# Altium PCB galileo_cleaned.PcbDoc (part 4 of 10)
Units mil, origin at the board's own origin, x right, y up, seen from the top; angles counter-clockwise.
Board outline 4205 x 2835.09 mil, 6 copper layers (TOP, PWR, LYR_1, LYR_2, GND, BOTTOM), stack 80.1 mil thick; 533 components, 432 nets, 2101 pads, 1155 vias.
Unrouted connection lines stored in the file: 669.
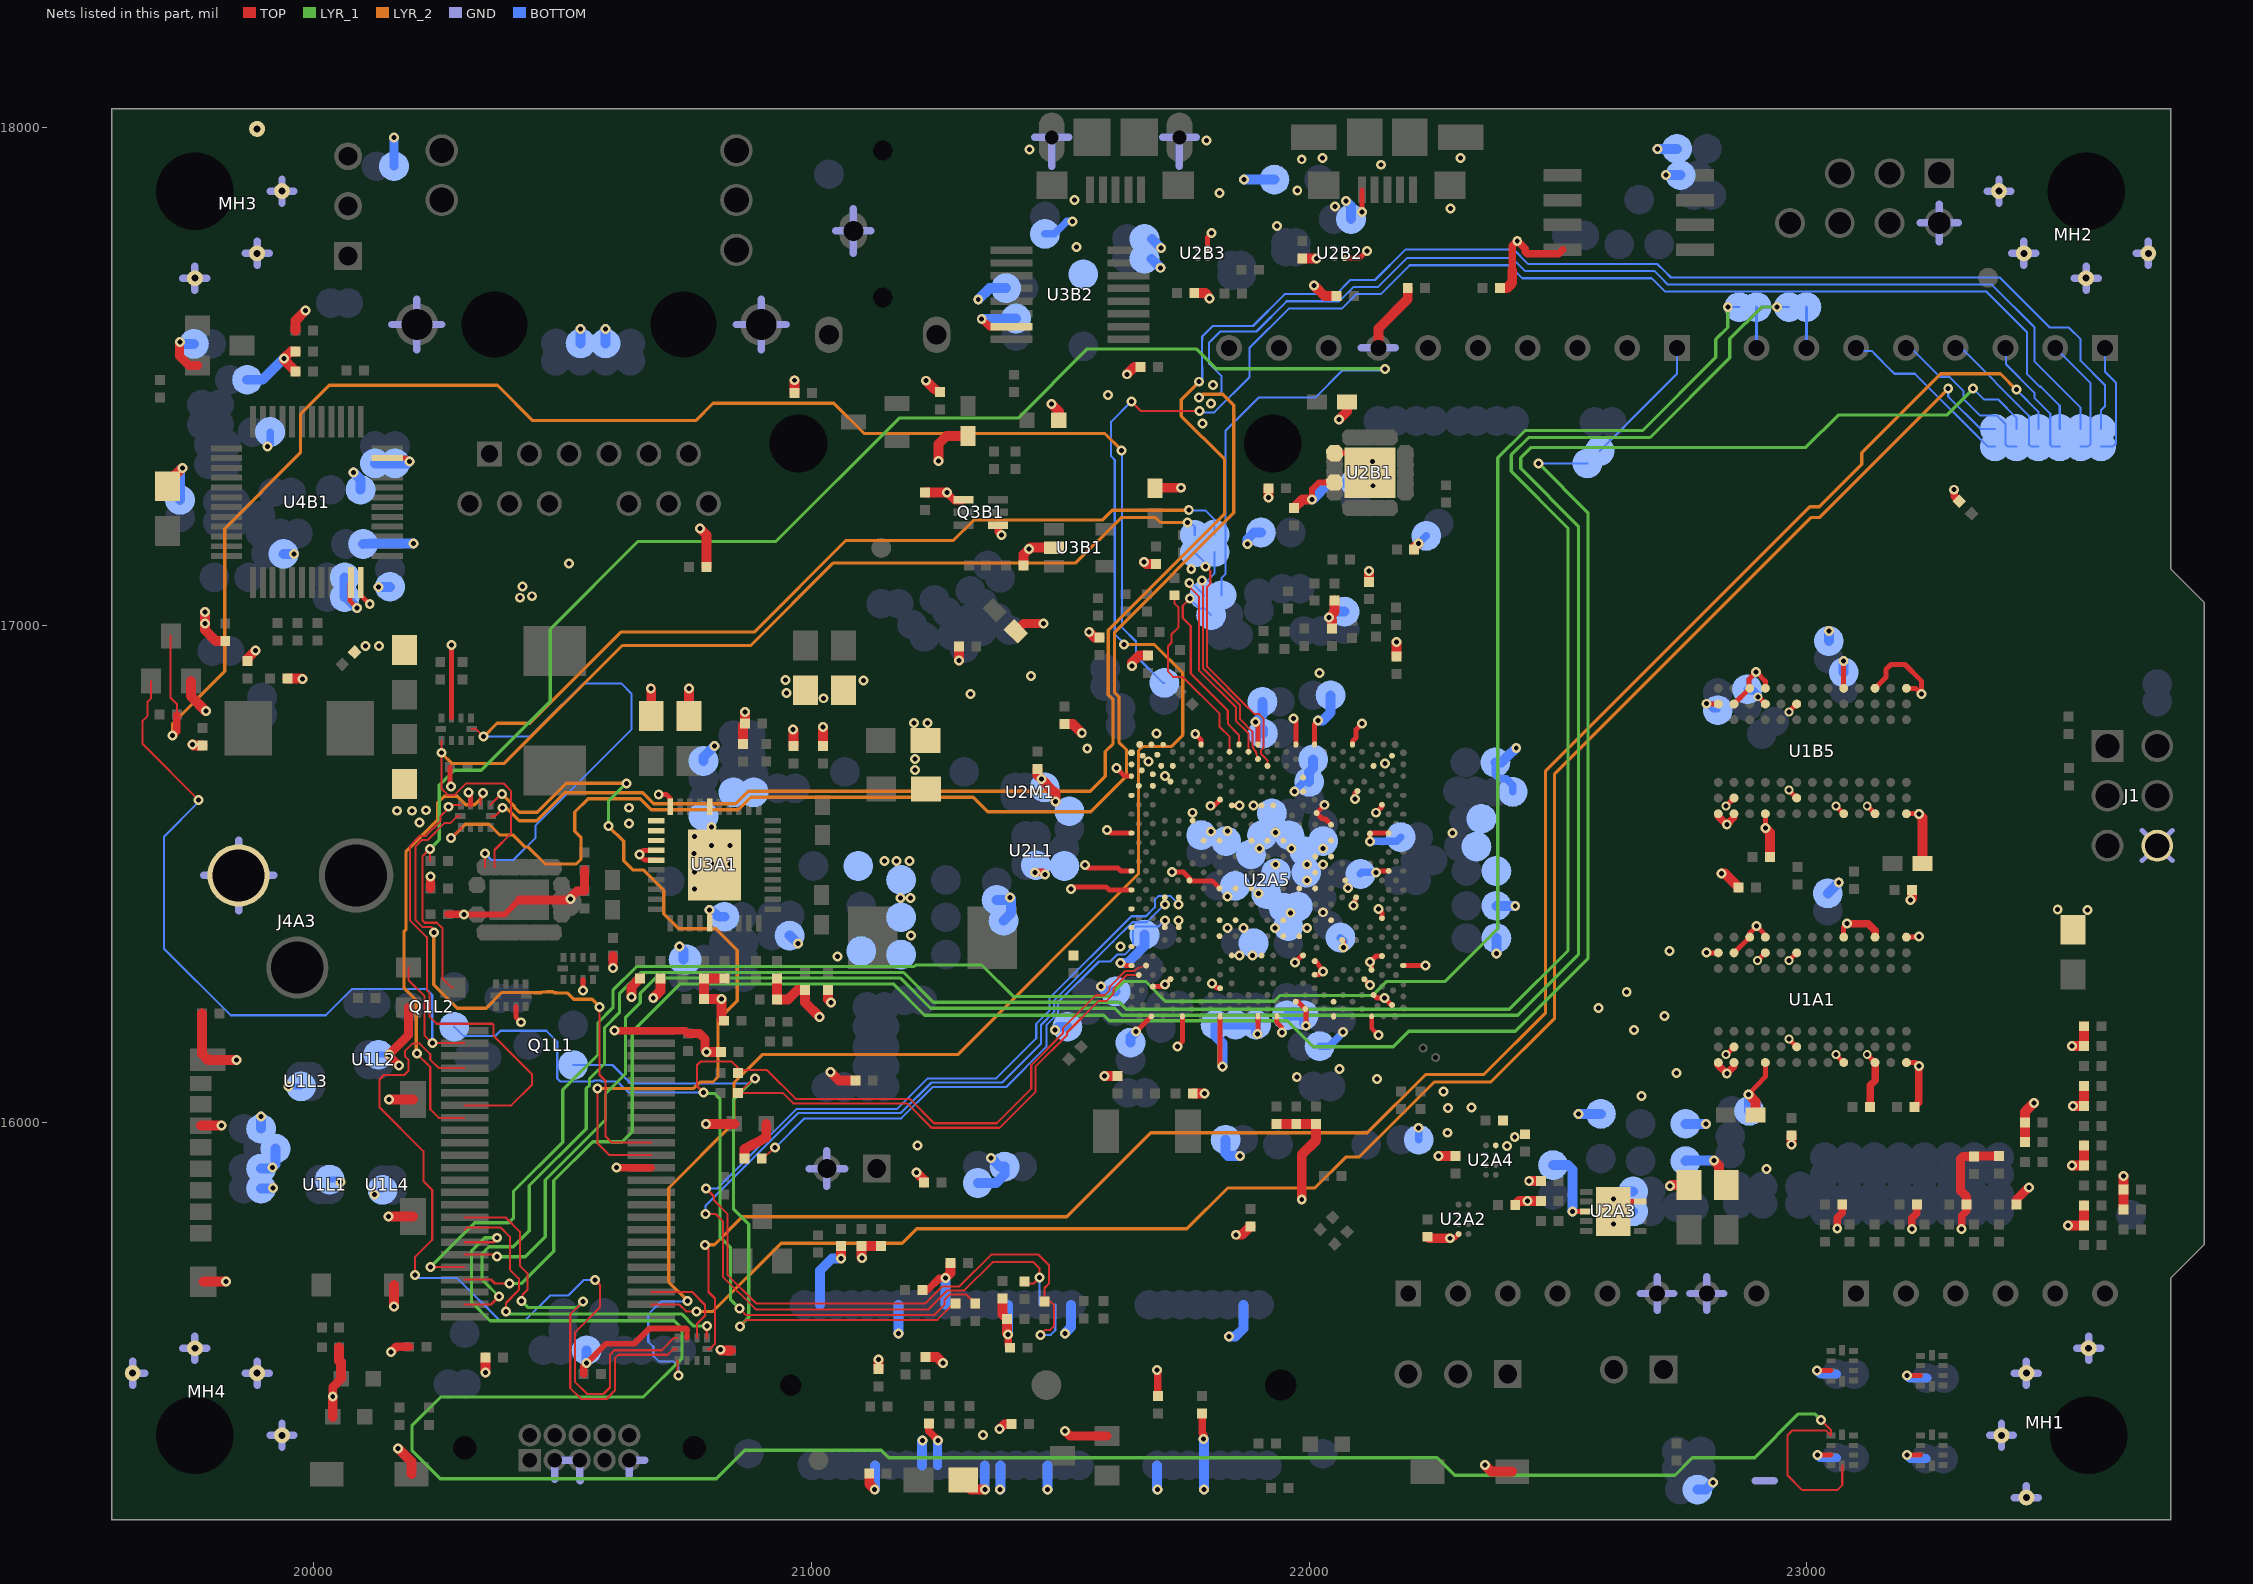
[diagram p8: the nets of this part, all layers, seen from the top]

## Via types
v1: diameter 20, hole 10, TOP to BOTTOM, 1096 vias
v2: diameter 18, hole 10, TOP to BOTTOM, 43 vias
v3: diameter 25, hole 25, TOP to BOTTOM, 16 vias

## Nets (pads, with @x,y where several pads share a name; then routed paths per layer and width w, separated by ;. In a path a pad name is that pad's centre, name@x,y a point inside that pad or via, vN(x,y) a via of type N, cw(c..) or ccw(c..) an arc to the next point about the centre after c; other vN are vias at no path point) (continued)
GND: C1A1.2 C1A2.2 C1A3.2 C1A4.2 C1A5.2 C1A6.2 C1A7.2 C1A8.2 C1A9.2 C1A10.2 C1A11.2 C1A12.2 C1A13.1 C1A14.2 C1A15.2 C1A16.2 C1A17.2 C1A18.2 C1A19.2 C1A20.1 C1A22.1 C1A24.2 C1A25.2 C1B1.2 C1L1.2 C1L2.2 C1L3.2 C1M1.2 C1M2.2 C1M3.2 C1M4.2 C1M5.2 C1M6.2 C1M9.2 C1M10.2 C1M11.2 C1M12.2 C1M13.2 C1M14.2 C2A1.2 C2A2.2 C2A3.2 C2A4.2 C2A5.2 C2A6.1 C2A7.2 C2A8.2 C2A9.2 C2B1.2 C2B2.2 C2B3.2 C2B4.2 C2B5.2 C2B7.2 C2B11.2 C2B12.2 C2B13.2 C2L1.2 C2L2.2 C2L4.2 C2L5.2 C2L6.2 C2L7.2 C2L8.2 C2L9.2 C2L10.2 C2L11.2 C2L12.2 C2L13.2 C2M2.2 C2M4.2 C2M5.2 C2M7.2 C2M8.2 C2M9.2 C2M10.2 C3A1.2 C3A2.2 C3A5.2 C3A6.2 C3A7.2 C3A8.2 C3A9.2 C3A10.1 C3A12.2 C3A13.2 C3A14.2 C3A15.2 C3A16.2 C3A17.2 C3A20.2 C3A21.2 C3A22.2 C3A23.2 C3A24.2 C3A25.2 C3A26.2 C3B1.2 C3B2.2 C3B3.2 C3B4.2 C3B5.2 C3B6.2 C3B7.2 C3B8.2 C3B9.2 C3B10.2 C3B11.2 C3B12.2 C3B13.2 C3B14.2 C3B15.2 C3B16.2 C3B17.2 C3B18.2 C3L1.2 C3L2.2 C3L3.2 C3L4.2 C3L5.2 C3L6.2 C3L7.2 C3L8.2 C3L9.2 C3L10.2 C3L11.2 C3L12.2 C3L13.2 C3L14.2 C3L15.2 C3L16.2 C3L17.2 C3L18.2 C3L19.2 C3L20.2 C3L21.2 C3L22.2 C3L23.2 C3L24.2 C3L25.2 C3L26.2 C3L27.2 C3L28.2 C3L29.2 C3L30.2 C3M1.2 C3M2.2 C3M3.2 C3M4.2 C3M5.2 C3M6.2 C3M7.2 C3M8.2 C3M9.2 C3M10.2 C3M11.2 C3M12.2 C3M13.2 C4A1.2 C4B1.2 C4B2.2 C4B3.2 C4B4.2 C4B5.2 C4B6.2 C4B7.2 C4L1.2 C4L3.2 C4M2.2 C4M3.2 C4M4.1 C4M5.2 C4M6.2 DS3B1.2 J1.6 J4A3.2 MH1.3 MH1.4 MH1.5 MH1.6 MH2.3 MH2.4 MH2.5 MH2.6 MH3.3 MH3.4 MH3.5 MH3.6 MH4.3 MH4.4 MH4.5 MH4.6 Q3B1.1 Q3B1.4 R1A8.2 R1A9.2 R1A12.2 R1A14.2 R1A15.2 R1A17.2 R1L2.2 R1L11.2 R1M6.1 R1M12.2 R2A6.2 R2A7.2 R2A12.2 R2A13.2 R2A14.2 R2B1.2 R2B2.2 R2B4.2 R2B13.2 R2B17.2 R2B19.2 R2B24.2 R2B25.2 R2L2.2 R2L3.2 R2L11.2 R2L16.2 R2L18.2 R2L20.2 R2M1.1 R2M3.2 R2M6.2 R3A10.2 R3A14.2 R3A17.2 R3A18.2 R3A19.1 R3A20.2 R3A21.2 R3B2.2 R3B3.2 R3B5.2 R3L1.2 R3L3.2 R3L4.2 R3L5.2 R3L6.2 R3L7.2 R3L10.2 R3L13.2 R3L14.2 R3M7.2 R4A7.2 R4B4.2 R4B5.2 R4B6.2 R4L19.1 R4M1.1 R9.2 U1A1.A1 U1A1.A8 U1A1.B1 U1A1.B2 U1A1.B8 U1A1.C9 U1A1.D1 U1A1.D8 U1A1.D9 U1A1.F2 U1A1.F8 U1A1.J1 U1A1.J9 U1A1.L1 U1A1.L9 U1A1.N1 U1A1.N9 U1B5.A1 U1B5.A8 U1B5.B1 U1B5.B2 U1B5.B8 U1B5.C9 U1B5.D1 U1B5.D8 U1B5.D9 U1B5.F2 U1B5.F8 U1B5.J1 U1B5.J9 U1B5.L1 U1B5.L9 U1B5.N1 U1B5.N9 U1L1.A1 U1L2.A1 U1L3.A1 U1L4.A1 U2A2.D1 U2A3.4 U2A3.8 U2A3.11 U2A4.D1 U2A5.A7 U2A5.A10 U2A5.A12 U2A5.A14 U2A5.A16 U2A5.A18 U2A5.A23 U2A5.A28 U2A5.A31 U2A5.A32 U2A5.A34 U2A5.AB3 U2A5.AB11 U2A5.AB16 U2A5.AB35 U2A5.AC2 U2A5.AC9 U2A5.AC29 U2A5.AC30 U2A5.AD6 U2A5.AD8 U2A5.AD16 U2A5.AD18 U2A5.AD20 U2A5.AD35 U2A5.AE26 U2A5.AF13 U2A5.AF20 U2A5.AF22 U2A5.AF24 U2A5.AG1 U2A5.AG3 U2A5.AH11 U2A5.AH17 U2A5.AJ35 U2A5.AK15 U2A5.AK29 U2A5.AL6 U2A5.AL23 U2A5.AM1 U2A5.AM4 U2A5.AM7 U2A5.AM32 U2A5.AN9 U2A5.AN13 U2A5.AN27 U2A5.AP2 U2A5.AP18 U2A5.AP23 U2A5.AP33 U2A5.AT7 U2A5.B29 U2A5.B31 U2A5.B33 U2A5.B35 U2A5.C1 U2A5.C35 U2A5.D5 U2A5.D29 U2A5.D31 U2A5.D33 U2A5.E32 U2A5.E35 U2A5.F6 U2A5.F30 U2A5.F32 U2A5.G1 U2A5.G12 U2A5.H17 U2A5.J25 U2A5.K22 U2A5.K35 U2A5.M1 U2A5.M5 U2A5.M11 U2A5.M13 U2A5.M16 U2A5.M22 U2A5.M28 U2A5.P9 U2A5.P13 U2A5.P16 U2A5.P27 U2A5.T16 U2A5.T22 U2A5.U1 U2A5.U35 U2A5.V9 U2A5.V22 U2A5.V27 U2A5.W1 U2A5.W27 U2A5.Y11 U2A5.Y13 U2A5.Y22 U2B1.6 U2B1.9 U2B1.21 U2B2.A1 U2B3.A1 U2L1.D1 U2M1.D1 U3A1.5 U3A1.26 U3A1.30 U3A1.31 U3A1.32 U3A1.33 U3A1.34 U3A1.35 U3A1.41 U3B1.2 U3B2.15 U4B1.35 U4B1.36 U4B1.47 | length 19481
  TOP w9: U2A5.W1@21935,16213.93 21935,16202 21945,16192 v1(21945,16181) ; U2A5.AM1@22125.54,16213.93 22125.54,16189.46 v1(22139,16176)
  TOP w10: U4B1.35@20074.58,17085.58 20072.85,17083.85 20072.85,17048.15 v1(20087,17034) ; U4B1.36@20094.27,17085.58 20094.27,17060.08 v1(20112.35,17042) ; U4B1.47@20147.42,17335.58 20185.42,17335.58 v1(20192,17329) ; 20274,16715 20274,16678 v1(20276,16676) ; 20276.16,16813.5 v1(20276.16,16960) ; v1(20311,16664) 20310,16663 20315.16,16657.84 20315.16,16638.5 ; 20405.84,16233.5 20405.84,16212.16 v1(20416,16202) ; v1(20540.84,16266) 20540.84,16287.5 ; U3A1.35@20688.12,16527.84 20665.16,16527.84 v1(20654,16539) 20662.53,16547.53 U3A1.34@20688.12,16547.53 ; v1(20693,16660) 20708,16660 20716.42,16651.58 U3A1.30@20716.42,16634.88 ; 20750.16,15567.5 20750.16,15583.84 ; v1(20795,16428) U3A1.5@20795.16,16401.12 ; v1(21521.01,16469.5) 21525.53,16474.02 21592.18,16474.02 21598.2,16467.99 21641.43,16468 U2A5.A16@21642.93,16468 ; v1(21549.92,16518.08) 21555.98,16512.02 21615.36,16512.02 21621.37,16506 U2A5.A18@21642.93,16506 ; v1(21594.02,16588.67) 21600.67,16582.02 U2A5.A23@21642.93,16582.02 ; v1(21612.76,16713.14) 21629.36,16696.54 U2A5.A31@21642.93,16696.54 ; v1(21621,16321) 21631.03,16315.97 U2A5.A7@21642.93,16315.97 ; v1(21652,16183) 21671.49,16202.49 21671.49,16202.61 U2A5.C1@21682.81,16213.93 ; U2A5.D5@21685.82,16273.62 21705.97,16273.62 v1(21709.8,16277.45) 21720.97,16288.62 U2A5.F6@21721.2,16288.62 ; U2A5.F30@21721.1,16685.6 U2A5.F30@21721.2,16685.6 ; v1(21724,16504) 21747,16504 21759.4,16491.6 U2A5.H17@21759.4,16487 21760.4,16486 21805,16486 U2A5.M16@21820,16471 ; v1(21735,16153) 21744.96,16162.96 21744.96,16212.41 U2A5.G1@21744.97,16213.93 ; U2A5.G12@21737.8,16393 v1(21737.8,16406.8) ; v1(21771,16781) 21782.97,16769.03 U2A5.K35@21782.97,16760.07 ; U2B3.A1@21795.84,17756.84 21795.84,17779.84 v1(21804,17788) ; v1(21802,16637) 21808.64,16637 U2A5.M28@21820.98,16649.34 ; v1(21804.98,16280.26) 21804.98,16280.02 21814.61,16270.39 U2A5.M5@21820.98,16270.39 ; U2A5.M1@21820.98,16213.93 21820.98,16118.02 v1(21826,16113) ; U2A5.P27@21844.33,16637.74 v1(21860.33,16637.74) ; v1(21892,16805) 21896.99,16801.01 21896.99,16776.58 ; v1(21896,16178) 21897,16179 U2A5.U1@21897,16213.93 ; U2A5.U35@21897,16760.07 21897,16776.57 ; v1(21968,16812) 21973.01,16808.99 U2A5.AB35@21973.01,16760.07 ; v1(21971,16322) 21985.26,16336.26 U2A5.AC9@21987.67,16336.26 ; U2A5.AB3@21973.01,16243.26 21977.35,16243.26 U2A5.AC2@21992.02,16228.59 21994,16226.61 v1(21994,16195) ; U2A5.AD6@22011.02,16297.52 22019.28,16297.52 v1(22028,16304) 22013.62,16324.66 U2A5.AD8@22011.02,16324.66 ; U2A5.AD35@22011.02,16760.07 22011.02,16801.02 v1(22018,16808) ; v1(22031,16639) 22014.96,16622.96 U2A5.AE26@22014.96,16622.21 22026.85,16610.32 22032.68,16610.32 U2A5.AF24@22044,16599 ; U2A5.AH11@22066.2,16367 22069,16364.2 v1(22069,16352) ; U2B2.A1@22070.84,17737.16 22101.16,17737.16 v1(22116,17752) ; U2A5.AJ35@22087.03,16760.07 22087.03,16766.47 22094,16773.44 22094,16790 v1(22106,16802) ; v1(22089.2,16437) U2A5.AK15@22094.2,16453 ; v1(22092,16651) 22092,16661.62 U2A5.AK29@22096.96,16666.58 ; 22105.82,17874.68 22105.82,17830.18 v1(22106,17830) ; U2A5.AL6@22110.8,16288.4 22122.11,16277.09 v1(22122.2,16277.09) ; v1(22122.2,16565) U2A5.AL23@22122.2,16581 22123.22,16582.02 U2A5.AP23@22159.74,16582.02 ; U2A5.AM7@22124.96,16307.24 22124.96,16320.24 v1(22122.2,16323) 22134.17,16334.97 U2A5.AN9@22146.18,16334.97 ; U2A5.AM4@22129.38,16256.82 22135.2,16251 v1(22151,16251) 22165.51,16236.49 U2A5.AP2@22166.47,16236.49 ; v1(22134,16503) 22137,16506 U2A5.AP18@22159.74,16506 ; v1(22134,16623) 22146.18,16635.18 U2A5.AN27@22146.18,16639.03 ; v1(22139,16430) 22146.18,16422.82 U2A5.AN13@22146.18,16410.98 ; U2A5.AT7@22189.07,16315.97 v1(22234.03,16315.97) ; v1(22283,15768) 22292,15768 22300.16,15776.16 U2A2.D1@22300.16,15776.47 ; v1(22529,15822) U2A3.8@22557,15822 ; U2A3.11@22611,15822 22630.69,15841.69 U2A3.4@22665,15841.69 ; v1(22798,16342) 22798.51,16341.49 U1A1.A8@22822.02,16341.49 ; v1(22798,16842) 22798.51,16841.49 U1B5.A8@22822.02,16841.49 ; v2(22837.77,16136.76) U1A1.B2@22853.52,16152.51 ; v2(22837.77,16636.76) U1B5.B2@22853.52,16652.51 ; U1A1.B8@22853.52,16341.49 U1A1.C9@22885.02,16372.98 22885.02,16381.02 v1(22899,16395) 22916.51,16377.49 U1A1.D9@22916.51,16372.98 ; U1B5.B8@22853.52,16841.49 U1B5.C9@22885.02,16872.98 22883.85,16874.15 22883.85,16891.85 v1(22898,16906) 22916.51,16887.49 U1B5.D9@22916.51,16872.98 ; v1(22883,16057) 22916.51,16092.49 U1A1.D1@22916.51,16121.02 ; v2(22900.76,16325.74) U1A1.D8@22916.51,16341.49 ; v2(22902,16856) U1B5.D8@22916.51,16841.49 ; U1B5.D1@22916.51,16621.02 22916.51,16592.49 v1(22917,16592) ; v2(22963.76,16168.26) U1A1.F2@22979.5,16152.51 ; v2(22963.75,16325.74) U1A1.F8@22979.5,16341.49 ; v2(22963.76,16668.26) U1B5.F2@22979.5,16652.51 ; v2(22963.75,16825.74) U1B5.F8@22979.5,16841.49 ; v1(23020,15502.16) 23048.5,15502.16 ; v1(23021.16,15332.16) 23048.5,15332.16 ; v2(23058.24,16136.76) U1A1.J1@23073.99,16121.02 ; v2(23058.24,16636.76) U1B5.J1@23073.99,16621.02 ; U1A1.J9@23073.99,16372.98 23073.99,16392.99 v1(23081,16400) ; U1B5.J9@23073.99,16872.98 23073.99,16892.99 v1(23074,16928) ; v2(23121.23,16136.76) U1A1.L1@23136.98,16121.02 ; v2(23121.23,16636.76) U1B5.L1@23136.98,16621.02 ; U1B5.L9@23136.98,16872.98 23159,16895 23159,16911 23169,16921 23197,16921 23230,16888 v1(23230,16862) 23219.02,16872.98 U1B5.N9@23199.98,16872.98 ; U1A1.N1@23199.98,16121.02 23217.98,16121.02 v1(23225,16114) ; U1A1.N9@23199.98,16372.98 23224.98,16372.98 v1(23225,16374) ; U1B5.N1@23199.98,16621.02 23217.98,16621.02 v1(23225,16620) ; v1(23201.16,15332.16) 23228.5,15332.16 ; v1(23201.16,15492.16) 23228.5,15492.16
  TOP w12: v1(20302,16418.47) 20328,16418.47 20383.47,16418.47 20413,16448 ; v1(20548,15517) 20587,15556 20644,15556 20675,15587 20747,15587 20750.16,15583.84 ; v1(22006,17252) 22006,17273 22019.31,17286.31 U2B1.9@22050.98,17286.31 ; U2B1.6@22050.98,17345.37 22082.63,17345.37 U2B1.21@22122,17306
  TOP w15: 20269.5,16419 20301.47,16419 v1(20302,16418.47) ; 20542,15495 20542,15511 v1(20548,15517) ; v1(20604,16185) 20678,16185 20746,16185 20752,16179 ; v1(20608,15910) 20678,15910 ; C3A20.2@21223,15664 21233,15664 21257,15688 v1(21269,15688) ; C3A24.2@21236,15396 21236,15380 v1(21254,15362) ; v1(21272,17266) 21287.91,17250.09 21303.09,17250.09 Q3B1.1@21305,17252 ; v1(21342,17615) 21357.91,17599.09 21401.49,17599.09 U3B2.15@21402,17599.6 ; Q3B1.4@21375,17200.8 21375,17188 v1(21382,17181) ; v1(21395,15575) 21395,15552 C3A22.2@21399,15548 ; v1(21449,16503) 21465,16503 v1(21469,16499) ; v1(21694,15503) 21696,15501 C2A9.2@21696,15451 ; C2A8.2@21785,15416 21785,15376 21788,15373 v1(21788,15365) ; 22408,17713 22408,17762 v1(22418,17772) 22434,17756 22434,17750 22437.89,17746.11 22501.11,17746.11 22509,17754 ; U1A1.A1@22822.02,16121.02 22822.02,16115.98 v1(22839,16099) 22853.52,16113.52 U1A1.B1@22853.52,16121.02 ; U1B5.A1@22822.02,16621.02 22822.02,16615.98 v1(22839,16599) 22853.52,16613.52 U1B5.B1@22853.52,16621.02 ; v1(23061,15788) 23061,15809 23071,15819 C1A8.2@23071,15836 ; v1(23081,16400) 23123,16400 23136.98,16386.02 U1A1.L9@23136.98,16372.98 ; C1A16.2@23127,16032 23127,16075 23136.98,16084.98 U1A1.L1@23136.98,16121.02 ; v1(23211,15787) 23211,15808 23221,15818 C1A7.2@23221,15836 ; C1A15.2@23216,16032 23225,16041 v1(23225,16114) ; v1(23296,17272) 23296,17259 C1B1.2@23306.25,17248.75 ; v1(23311,15787) 23311,15813 23321,15823 C1A6.2@23321,15836
  TOP w18: v1(19731,17569) 19730,17568 19730,17541 19749,17522 19766,17522 ; v1(20038,15450) 20038,15469 20055,15486 ; v1(20155,15539) 20166,15550 20191,15550 ; v1(20171,16115) 20150.84,16135.16 v1(20150.84,16136.84) 20190,16176 20190,16232 ; 20234.5,16471 v1(20234.5,16495) ; 20413,16448 20514,16448 v1(20516,16450) 20516,16453 20529,16466 20544,16466 20544,16508 ; v1(20601,16311) 20601,16336 ; 20752,16179 20775,16179 20786,16168 20786,16145 v1(20789,16142) ; v1(21378,15385) 21388,15395 C3A23.2@21402,15395 ; C3B10.2@21410.43,16987.57 21425.85,17003 v1(21466,17003) ; v1(21509,15381) 21519,15371 21594,15371 ; C1A6.2@23321,15836 23321,15851 23309,15863 23309,15927 23314,15932 C1A9.2@23336,15932 23337,15933 C1A10.2@23386,15933 ; C1A5.2@23421,15836 23421,15845 v1(23446,15870)
  TOP w20: C4B5.2@19706,17279 19706,17286 v1(19736,17316) ; 19753,16888 19753,16857 v1(19783,16827) ; v1(19756,16760) 19758,16758 C4B6.2@19776,16758 ; 19773.06,15994.29 v1(19814.71,15994.29) ; 19775.5,16220 19775.5,16137.91 19786.84,16126.57 v1(19844.57,16126.57) ; 19777.98,15680.91 v1(19823.09,15680.91) ; v1(19781,17026) v1(19781,17003) 19781,16990 19803,16968 R4B4.2@19822,16968 ; C4B4.2@19867,16928 19867,16933 v1(19883,16949) ; C4B3.2@19947,16893 19976,16893 v1(19977,16892) ; R4B5.2@19963,17510 19940,17533 v1(19940,17536) 19954,17550 R4B6.2@19963,17550 ; 19963.5,17592 19963.5,17612 v1(19983.5,17632) ; 20038,15409 v1(20038,15450) ; 20051,15549 20051,15521.5 20055,15519.5 20055,15486 ; v1(20150.19,15811.81) 20199.24,15811.81 ; v1(20151.15,16046.85) 20199.24,16046.85 ; v1(20160.86,15631.14) 20160.86,15674.02 ; v1(20169,15346) 20196,15319 20196,15294 ; v1(20345,15498) C4A1.2@20345,15528 ; v1(20638,16253) 20638,16273 R4A7.2@20655,16290 ; v1(20677,16873) 20678,16872 C3B4.2@20678,16817 ; v1(20682,16251) 20696,16265 20697,16265 C3A15.2@20697,16290 ; C3B3.2@20754,16817 v1(20754,16873) ; v1(20776,17194) 20789,17181 C3B18.2@20789,17117 ; v1(20788,15998) 20788,15997.42 20845,15998 ; v1(20789,16142) R3A17.2@20818,16142 ; v1(20817,15544) 20818.5,15542.5 20838,15542.5 ; R3A18.2@20824,16205 20819,16210 v1(20819,16249) C3A13.2@20784,16249 C3A17.2@20784,16290 R3A19.1@20825,16290 ; C3B2.2@20862,16761 20862,16798 C3B8.2@20866,16802 v1(20866,16825) ; C3A16.2@20931,16290 C3A12.2@20931,16248 20953,16248 20972,16267 C3A14.2@20987,16267 20987,16242 v1(21016,16213) ; v1(20963,16790) 20964,16789 C3B6.2@20964,16757 ; C3B15.2@20966,17466 v1(20966,17492) ; R3B2.2@21023,16757 v1(21023,16795) ; R3A21.2@21033,16267 21033,16248 v1(21039,16242) ; v1(21038,16102) 21055,16085 R3A14.2@21088,16085 ; v1(21059,15727) C3A9.2@21059,15752 ; v1(21101,15728) 21100,15729 C3A8.2@21100,15752 R3A10.2@21140,15752 ; C3A2.2@21116,15295 21116,15274 v1(21127,15263) ; C3A5.2@21135,15505 v1(21135,15524) ; v1(21211,15900) 21226,15885 C3A21.2@21226,15880 ; C3B12.2@21228,17266 v1(21272,17266) ; C3A6.2@21229,15529 21252,15529 v1(21264,15517) ; v1(21230,17491) 21247,17474 C3B13.2@21258,17468 ; v1(21255,17330) 21255,17364 21271,17380 C3B14.2@21314,17380 ; v1(21269,15688) 21279,15698 C3A26.2@21279,15718 ; v1(21296,16929) C3B16.2@21296,16957 ; C3A1.2@21305,15282 21320,15263 v1(21349,15263) ; C3A25.2@21384,15647 21384,15615 C3A7.2@21393,15606 21393,15577 v1(21395,15575) ; R3B5.2@21426,17120 21426,17142 v1(21437,17153) 21439.5,17155.5 U3B1.2@21487,17155.5 ; C3B5.2@21454,16711 21454,16698 v1(21462,16691) 21486,16666 21490,16662 v1(21490,16646) ; v1(21482,17444) 21497,17429 DS3B1.2@21497,17412 ; C3B17.2@21508,16801 21525,16801 v1(21543,16783) ; v1(21558,16986) 21569,16975 R3B3.2@21579,16975 ; v1(21589,16094) C3A10.1@21615,16094 ; v1(21634,17504) 21649,17519 C2B13.2@21661,17519 ; v1(21644,16918) 21644,16925 21658,16939 R2B2.2@21676,16939 ; v1(21668,17127) 21672,17123 C2B12.2@21692,17123 ; C2B2.2@21690,17275 21691,17276 v1(21742,17276) ; C2A6.1@21766,16059 v1(21789.9,16059) ; C2B7.2@21769,17667 21792,17667 v1(21800,17656) ; v1(21853,15775) 21865,15775 C2A7.2@21882,15792 ; v1(21918,17256) C2B3.2@21918,17275 ; R2A12.2@21934,15998 R2A13.2@21974,15998 R2A14.2@22014,15998 22014,15965 21985,15936 v1(21985,15846) ; C2B1.2@21969,17235 21986,17252 v1(22006,17252) ; C2B11.2@21986,17737 v1(22015,17737) ; v1(22010,17682) 22031,17661 C2B5.2@22055,17661 ; R2B4.2@22046,16993 22046,17009 v1(22040,17015) 22051,17026 R2B17.2@22051,17049 ; v1(22060,17413) 22076,17429 C2B4.2@22076,17448 ; R2B13.2@22120,17087 v1(22120,17109) ; 22139,17557 22139,17596 22198,17655 R2B25.2@22198,17677 ; R2B1.2@22175,16937 v1(22175,16966) ; R2B19.2@22211,17152 22211,17156 v1(22220,17164) ; C2A1.2@22238,15771 22241,15768 v1(22283,15768) ; v1(22260,15933) C2A4.2@22294,15933 ; v1(22353,15312) 22366,15299 22408,15299 ; R2B24.2@22383,17677 22397,17677 22408,17688 22408,17713 ; C2A2.2@22414,15835 22422,15843 v1(22439,15843) R2A6.2@22466,15843 ; v1(22442.1,15883) C2A3.2@22466,15883 ; v1(22725,15873) 22727,15875 C1A2.2@22763,15875 ; v1(22813,15924) 22823,15914 22823,15890 C1A1.2@22838,15875 ; v1(22828,16501) 22835,16501 C1A22.1@22863,16473 ; v1(22883,16057) 22897,16043 C1A14.2@22897,16016 ; v1(22917,16592) 22926,16583 C1A25.2@22926,16534 ; v1(22969,15956) C1A13.1@22969,15975 ; v1(23208,16448) 23211,16451 C1A20.1@23211,16468 ; v1(23225,16620) 23232,16613 C1A24.2@23232,16521 ; C1A12.2@23438,15961 R1A14.2@23438,16001 23438,16022 v1(23456,16040) ; v1(23525,15794) C1A3.2@23557,15794 R1A8.2@23557,15834 ; v1(23533,16154) R1A17.2@23557,16154 C1A18.2@23557,16194 ; v1(23533.1,15914) C1A11.2@23557,15914 R1A12.2@23557,15954 ; v1(23535.1,16034) C1A17.2@23557,16034 R1A15.2@23557,16074 ; C1A4.2@23636,15826 R1A9.2@23636,15866 v1(23636,15893)
  GND w10: 23673.71,16526.71 J1.6@23704,16557 ; 23673.71,16587.29 J1.6@23704,16557 ; 23734.29,16526.71 J1.6@23704,16557 ; 23734.29,16587.29 J1.6@23704,16557
  GND w15: 19636,15473 MH4.3@19636,15497 ; 19636,15521 MH4.3@19636,15497 ; 19660,15497 MH4.3@19636,15497 ; 19737,15547 MH4.4@19761,15547 ; 19737,17697 MH3.6@19761,17697 ; 19761,15523 MH4.4@19761,15547 ; 19761,15571 MH4.4@19761,15547 ; 19761,17673 MH3.6@19761,17697 ; 19761,17721 MH3.6@19761,17697 ; 19778.28,16497 J4A3.2@19848.78,16497 ; 19785,15547 MH4.4@19761,15547 ; 19785,17697 MH3.6@19761,17697 ; 19848.78,16426.5 J4A3.2@19848.78,16497 ; 19848.78,16567.5 J4A3.2@19848.78,16497 ; 19862,15497 MH4.5@19886,15497 ; 19862,17747 MH3.5@19886,17747 ; 19886,15473 MH4.5@19886,15497 ; 19886,15521 MH4.5@19886,15497 ; 19886,17723 MH3.5@19886,17747 ; 19886,17771 MH3.5@19886,17747 ; 19910,15497 MH4.5@19886,15497 ; 19910,17747 MH3.5@19886,17747 ; 19912,15372 MH4.6@19936,15372 ; 19912,17872 MH3.4@19936,17872 ; 19919.28,16497 J4A3.2@19848.78,16497 ; 19936,15348 MH4.6@19936,15372 ; 19936,15396 MH4.6@19936,15372 ; 19936,17848 MH3.4@19936,17872 ; 19936,17896 MH3.4@19936,17872 ; 19960,15372 MH4.6@19936,15372 ; 19960,17872 MH3.4@19936,17872 ; 20156.5,17604 20207,17604 ; 20207,17553.5 20207,17604 ; 20207,17654.5 20207,17604 ; 20257.5,17604 20207,17604 ; 20484,15284 20484,15322 20534,15322 20534,15282 20535,15281 ; 20634,15291.5 20634,15322 20664.5,15322 ; 20848.5,17604 20899,17604 ; 20899,17553.5 20899,17604 ; 20899,17654.5 20899,17604 ; 20949.5,17604 20899,17604 ; 20995,15908 21031,15908 ; 21031,15872 21031,15908 ; 21031,15944 21031,15908 ; 21048.5,17792 21084,17792 ; 21067,15908 21031,15908 ; 21084,17747 21084,17792 ; 21084,17837 21084,17792 ; 21119.5,17792 21084,17792 ; 21448.66,17980 21482.66,17980 ; 21482.66,17922 21482.66,17980 ; 21516.66,17980 21482.66,17980 ; 21705.34,17980 21739.34,17980 ; 21739.34,17922 21739.34,17980 ; 21773.34,17980 21739.34,17980 ; 22105,17557 22139,17557 ; 22139,17591 22139,17557 ; 22173,17557 22139,17557 ; 22665,15657 22699,15657 ; 22699,15623 22699,15657 ; 22699,15691 22699,15657 ; 22733,15657 22699,15657 ; 22765,15657 22799,15657 ; 22799,15623 22799,15657 ; 22799,15691 22799,15657 ; 22833,15657 22799,15657 ; 22896,15281 22934,15281 ; 23228,17808 23266,17808 ; 23266,17770 23266,17808 ; 23266,17846 23266,17808 ; 23304,17808 23266,17808 ; 23362,17872 MH2.6@23386,17872 ; 23367,15372 MH1.4@23391,15372 ; 23386,17848 MH2.6@23386,17872 ; 23386,17896 MH2.6@23386,17872 ; 23391,15348 MH1.4@23391,15372 ; 23391,15396 MH1.4@23391,15372 ; 23410,17872 MH2.6@23386,17872 ; 23412,17747 MH2.5@23436,17747 ; 23415,15372 MH1.4@23391,15372 ; 23417,15247 MH1.3@23441,15247 ; 23417,15497 MH1.5@23441,15497 ; 23436,17723 MH2.5@23436,17747 ; 23436,17771 MH2.5@23436,17747 ; 23441,15271 MH1.3@23441,15247 ; 23441,15473 MH1.5@23441,15497 ; 23441,15521 MH1.5@23441,15497 ; 23460,17747 MH2.5@23436,17747 ; 23465,15247 MH1.3@23441,15247 ; 23465,15497 MH1.5@23441,15497 ; 23537,17697 MH2.4@23561,17697 ; 23542,15547 MH1.6@23566,15547 ; 23561,17673 MH2.4@23561,17697 ; 23561,17721 MH2.4@23561,17697 ; 23566,15523 MH1.6@23566,15547 ; 23566,15571 MH1.6@23566,15547 ; 23585,17697 MH2.4@23561,17697 ; 23590,15547 MH1.6@23566,15547 ; 23662,17747 MH2.3@23686,17747 ; 23686,17723 MH2.3@23686,17747 ; 23686,17771 MH2.3@23686,17747